# Allegro board MK60_PACK_V10A.brd (continued)
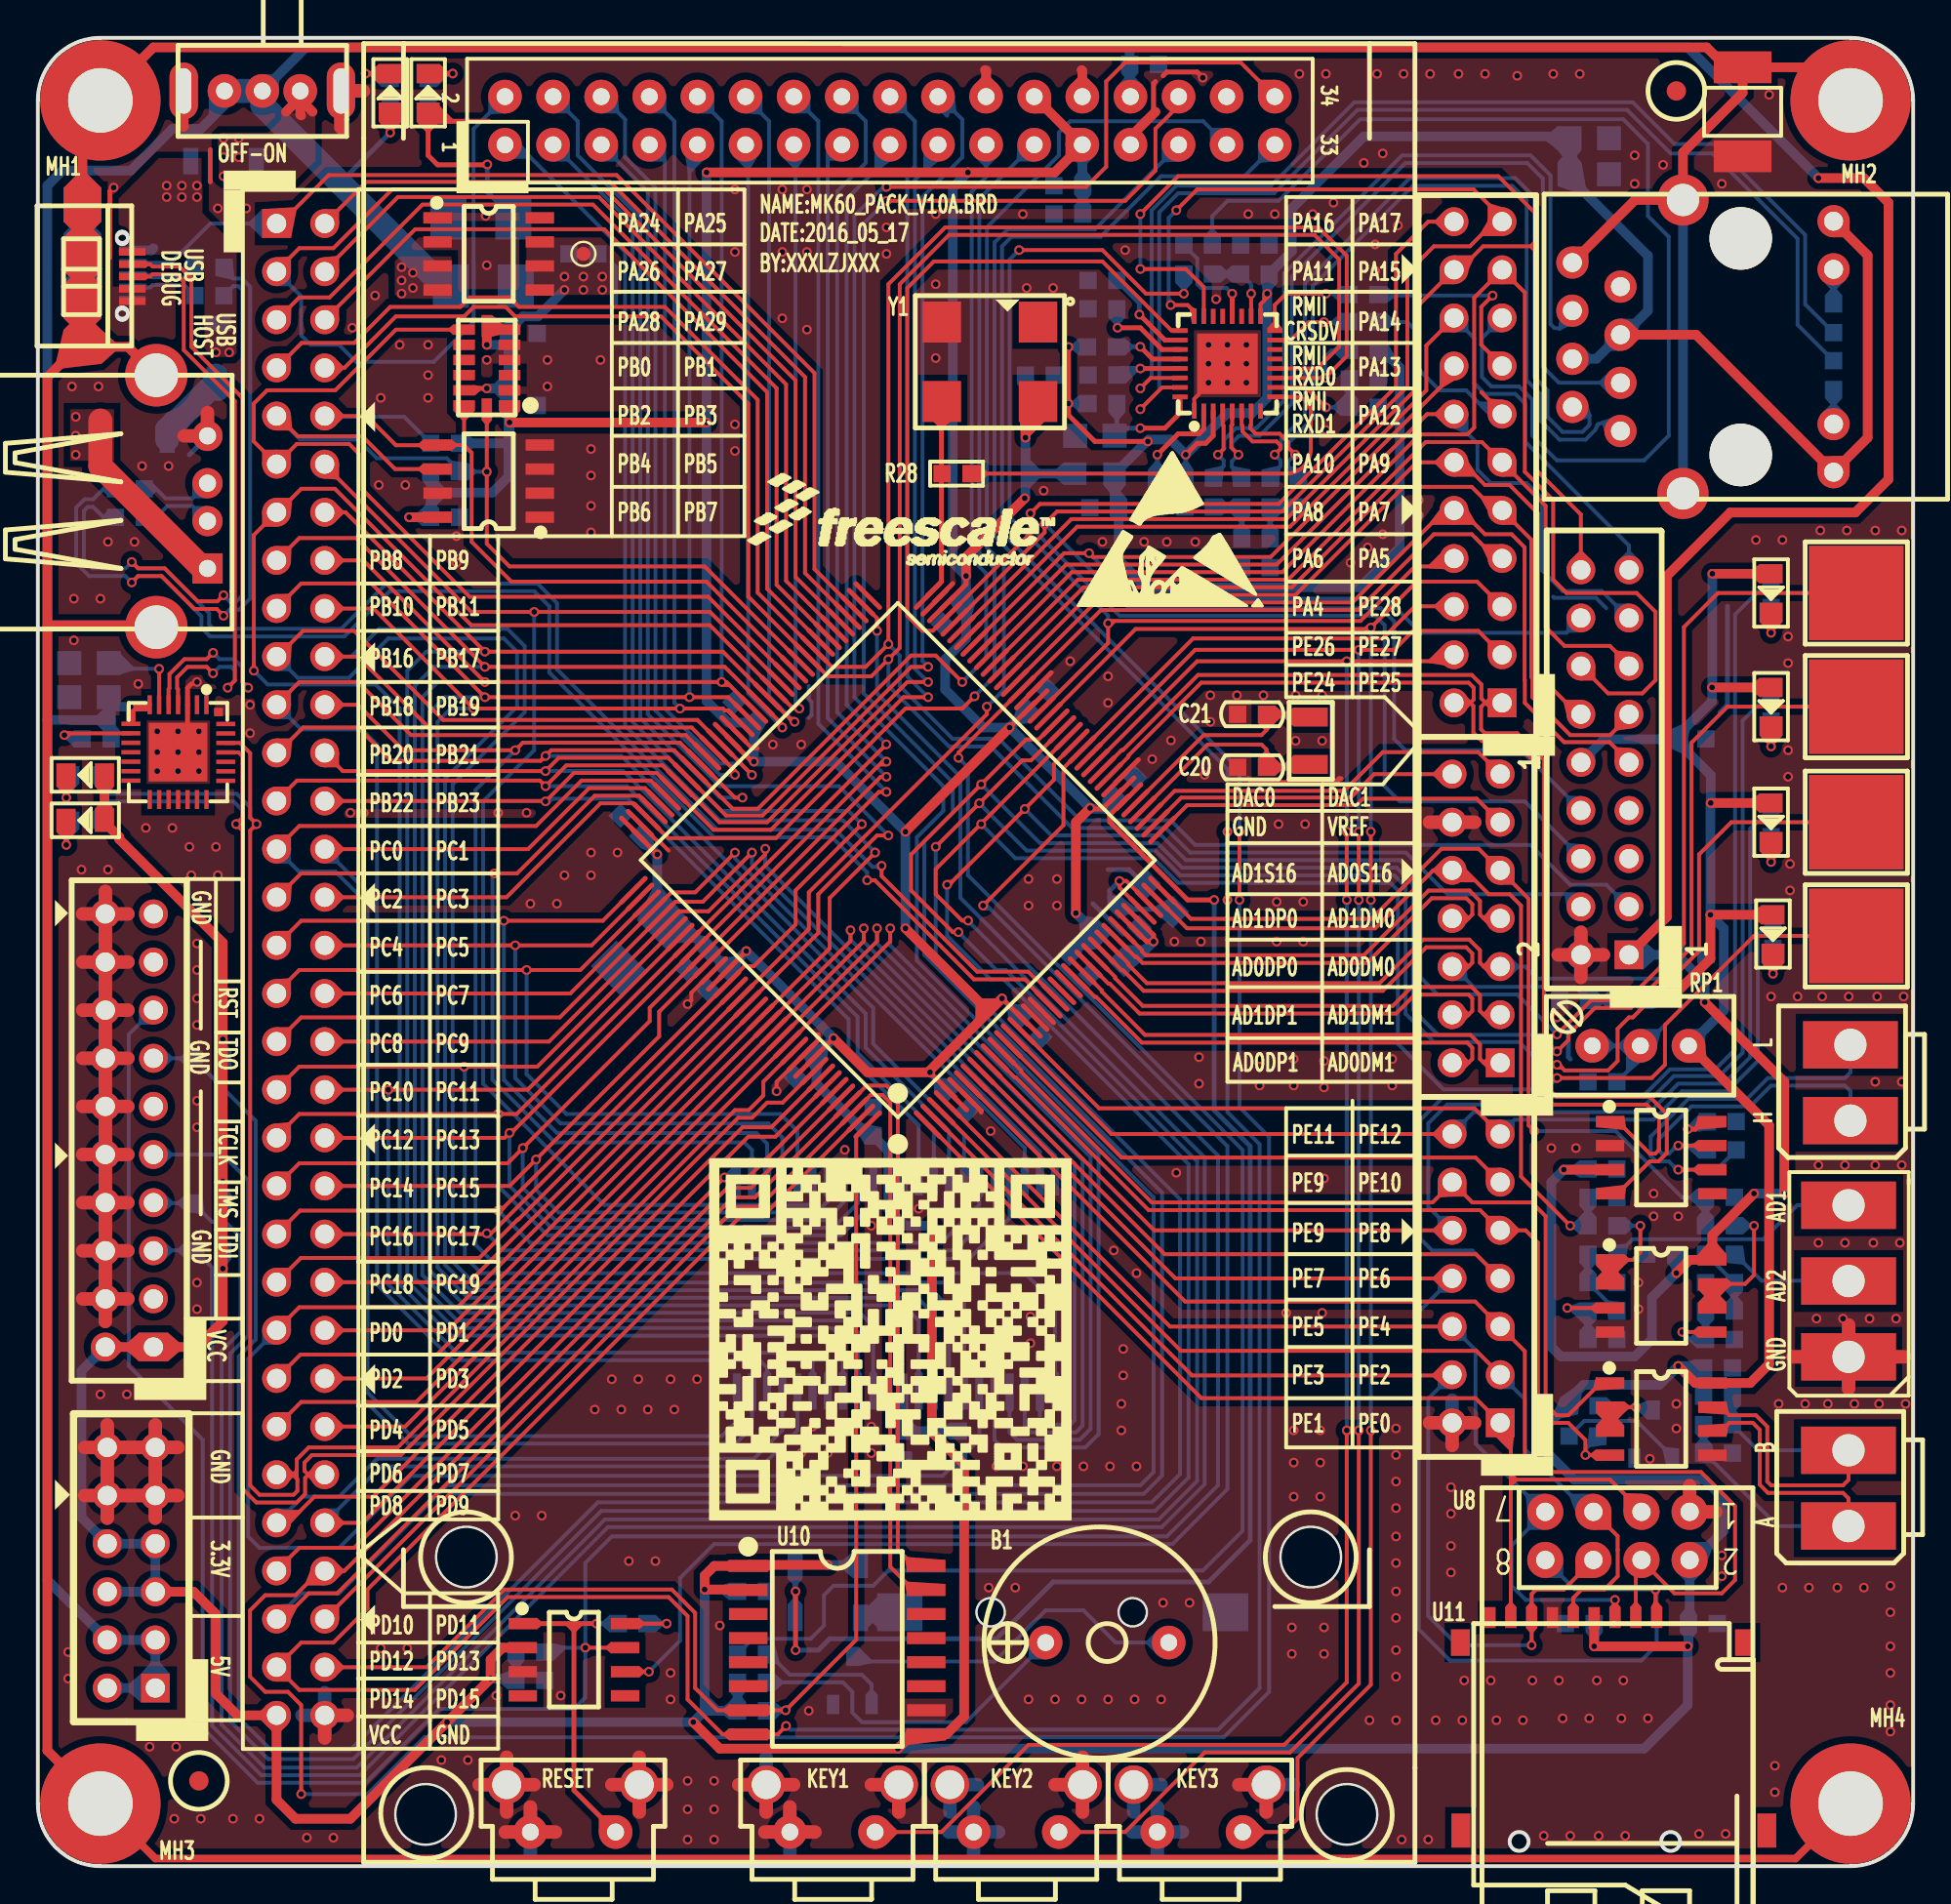
[diagram p0: board, top side]
## Placement (name value [footprint] x y rotation side) (continued)
U13  MAX3485ESA  [SOIC8]  85.7 23.6 270 top
U14  CP2102  [QFN-28]  8.9 61.3 270 top
U15  TPS76833Q  [SOIC8]  23.8 85.1 270 top
USB1  -  [USB-MICRO]  5.05 83.89 270 top
USB2  -  [USB-MICRO]  5.05 83.99 90 bottom
USB3  -  [USB-A]  8.95 68.49 180 top
X1  XTAL_32768Hz_3215  [X-2P-3R2X1R5-SMD]  67.2 59.4 270 top
Y1  SG7050CAN-50M-TJGA  [OSC7X5]  52.8 81.5 180 top

## Library data of the parts
B1 = BEEP_HC12085P
BEAD1 = FB
C1-C18 C20-C44 C49-C52 = CAP NP
C19 C47 C48 = CAPT_100UF_3528_6r3V_10%_LXXXX
C45 C46 = CAPACITOR NON-POL
D1-D4 D7 D8 D11 D12 = LED_4
D5 D6 = DIODE13_0
D9 D10 D13 = D SCHOTTKY
J1 = CONN RCPT 32x2
J2 = CONN RCPT 17x2_1
J3 = CON20_3
J4 = CONN RCPT 11x2
J5 = CONN RCPT 9x2
J6 J7 = CONN RCPT 7x2
J8 = CONN RCPT 6X2
J9 = HR911105A
J10 = CONN RCPT 3
J11 J12 = CONN PLUG 2_0
L1-L3 = IND_BEAD_0805_600OHM_200MA
MH1-MH4 = Hold_1
MP1 MP2 = MarkPoint
Q1 Q2 = L14G1/TO_1
R1-R7 R11 R14-R34 R37-R40 R42-R45 R53-R61 = R_10k_0603
R8-R10 R12 R13 R35 R36 R41 = R_10k_1
R46-R52 = R
RP1 = RESISTOR VAR_0
SW1-SW4 = SWITCH-SPST-4P
SW5 = SWITCH_3P
T1-T4 = TouchPad
TP1 = TestPoint_0
U1 = IS61LV25626_0
U2 = K60
U3 = SP706T_0
U4 = BATTERY
U5 = KSZ8041NL
U6 = ADXL345_1
U7 = AT24C512_0
U8 = NRF24L01PACK
U9 = LM2904QDR
U10 = W25Q64_0
U11 = TFCARD_1
U12 = TJA1050
U13 = MAX3485ESA_0
U14 = CP2102
U15 = TPS7133_0
USB1 USB2 = USB-MICRO
USB3 = USB-A_0
X1 = XTAL_5032_0
Y1 = SMD_OSC_3

## Footprints (pads in the part's own frame, mm; a bottom-side part is the same pattern mirrored in y, then rotated)
CC0603
  rect 0.914x0.914 smd: 1(-0.762,0) 2(0.762,0)
CC0805
  rect 1.27x1.27 smd: 1(-1.041,0) 2(1.041,0)
CC3528_12
  rect 1.905x2.286 smd: 1(0,0) 2(3.429,0)
CR1220
  rect 2.4x2 smd: 1(16,0) 2(-1.2,0)
HC12085P
  round 1.778 hole 0.889: 1(0,0) 2(6.5,0)
HEADER6X2
  rect 1.524x1.524 hole 1.016: 1(0,0)
  round 1.524 hole 1.016: 2(0,2.54) 3(2.54,0) 4(2.54,2.54) 5(5.08,0) 6(5.08,2.54) 7(7.62,0) 8(7.62,2.54) 9(10.16,0) 10(10.16,2.54) 11(12.7,0) 12(12.7,2.54)
HEADER7X2
  rect 1.524x1.524 hole 1.016: 1(0,0)
  round 1.524 hole 1.016: 2(0,2.54) 3(2.54,0) 4(2.54,2.54) 5(5.08,0) 6(5.08,2.54) 7(7.62,0) 8(7.62,2.54) 9(10.16,0) 10(10.16,2.54) 11(12.7,0) 12(12.7,2.54) 13(15.24,0) 14(15.24,2.54)
HEADER10X2
  rect 1.524x1.524 hole 1.016: 1(0,0)
  round 1.524 hole 1.016: 2(0,2.54) 3(2.54,0) 4(2.54,2.54) 5(5.08,0) 6(5.08,2.54) 7(7.62,0) 8(7.62,2.54) 9(10.16,0) 10(10.16,2.54) 11(12.7,0) 12(12.7,2.54) 13(15.24,0) 14(15.24,2.54) 15(17.78,0) 16(17.78,2.54) 17(20.32,0) 18(20.32,2.54) 19(22.86,0) 20(22.86,2.54)
HEADER11X2
  rect 1.524x1.524 hole 1.016: 1(0,0)
  round 1.524 hole 1.016: 2(0,2.54) 3(2.54,0) 4(2.54,2.54) 5(5.08,0) 6(5.08,2.54) 7(7.62,0) 8(7.62,2.54) 9(10.16,0) 10(10.16,2.54) 11(12.7,0) 12(12.7,2.54) 13(15.24,0) 14(15.24,2.54) 15(17.78,0) 16(17.78,2.54) 17(20.32,0) 18(20.32,2.54) 19(22.86,0) 20(22.86,2.54) 21(25.4,0) 22(25.4,2.54)
HEADER32X2
  rect 1.524x1.524 hole 1.016: 1(0,0)
  round 1.524 hole 1.016: 2(0,2.54) 3(2.54,0) 4(2.54,2.54) 5(5.08,0) 6(5.08,2.54) 7(7.62,0) 8(7.62,2.54) 9(10.16,0) 10(10.16,2.54) 11(12.7,0) 12(12.7,2.54) 13(15.24,0) 14(15.24,2.54) 15(17.78,0) 16(17.78,2.54) 17(20.32,0) 18(20.32,2.54) 19(22.86,0) 20(22.86,2.54) 21(25.4,0) 22(25.4,2.54) 23(27.94,0) 24(27.94,2.54) 25(30.48,0) 26(30.48,2.54) 27(33.02,0) 28(33.02,2.54) 29(35.56,0) 30(35.56,2.54) 31(38.1,0) 32(38.1,2.54) 33(40.64,0) 34(40.64,2.54) 35(43.18,0) 36(43.18,2.54) 37(45.72,0) 38(45.72,2.54) 39(48.26,0) 40(48.26,2.54) 41(50.8,0) 42(50.8,2.54) 43(53.34,0) 44(53.34,2.54) 45(55.88,0) 46(55.88,2.54) 47(58.42,0) 48(58.42,2.54) 49(60.96,0) 50(60.96,2.54) 51(63.5,0) 52(63.5,2.54) 53(66.04,0) 54(66.04,2.54) 55(68.58,0) 56(68.58,2.54) 57(71.12,0) 58(71.12,2.54) 59(73.66,0) 60(73.66,2.54) 61(76.2,0) 62(76.2,2.54) 63(78.74,0) 64(78.74,2.54)
HOLD250D134
  round 6.35 hole 3.404: 1(0,0)
HR911105A
  round 3.3 hole 3.3 unplated: (-5.715,0) (5.715,0)
  round 1.699 hole 1.001: 1(4.45,-6.35) 2(3.18,-8.89) 3(1.91,-6.35) 4(0.64,-8.89) 5(-0.63,-6.35) 6(-1.9,-8.89) 7(-3.17,-6.35) 8(-4.44,-8.89) 9(6.625,4.9) 10(4.085,4.9) 11(-4.085,4.9) 12(-6.625,4.9)
  round 2.7 hole 1.7: 13(7.745,-3.05) 14(-7.745,-3.05)
L1812
  rect 1.676x3.048 smd: 1(-2.349,0) 2(2.349,0)
LC0805
  rect 1.194x1.194 smd: 1(-1.041,0) 2(1.041,0)
LED0805
  rect 1.016x1.219 smd: 1(-1.016,0) 2(1.016,0)
LGA-14
  rect 1.145x0.55 smd: 1(0,0) 2(0,-0.8) 3(0,-1.6) 4(0,-2.4) 5(0,-3.2) 6(0,-4) 8(2.4,-4) 9(2.4,-3.2) 10(2.4,-2.4) 11(2.4,-1.6) 12(2.4,-0.8) 13(2.4,0)
  rect 0.55x1.145 smd: 7(1.2,-4.2) 14(1.2,0.2)
LQFP144
  oval 2.032x0.254 smd: 1(-11,8.75) 2(-11,8.25) 3(-11,7.75) 4(-11,7.25) 5(-11,6.75) 6(-11,6.25) 7(-11,5.75) 8(-11,5.25) 9(-11,4.75) 10(-11,4.25) 11(-11,3.75) 12(-11,3.25) 13(-11,2.75) 14(-11,2.25) 15(-11,1.75) 16(-11,1.25) 17(-11,0.75) 18(-11,0.25) 19(-11,-0.25) 20(-11,-0.75) 21(-11,-1.25) 22(-11,-1.75) 23(-11,-2.25) 24(-11,-2.75) 25(-11,-3.25) 26(-11,-3.75) 27(-11,-4.25) 28(-11,-4.75) 29(-11,-5.25) 30(-11,-5.75) 31(-11,-6.25) 32(-11,-6.75) 33(-11,-7.25) 34(-11,-7.75) 35(-11,-8.25) 36(-11,-8.75) 73(11,-8.75) 74(11,-8.25) 75(11,-7.75) 76(11,-7.25) 77(11,-6.75) 78(11,-6.25) 79(11,-5.75) 80(11,-5.25) 81(11,-4.75) 82(11,-4.25) 83(11,-3.75) 84(11,-3.25) 85(11,-2.75) 86(11,-2.25) 87(11,-1.75) 88(11,-1.25) 89(11,-0.75) 90(11,-0.25) 91(11,0.25) 92(11,0.75) 93(11,1.25) 94(11,1.75) 95(11,2.25) 96(11,2.75) 97(11,3.25) 98(11,3.75) 99(11,4.25) 100(11,4.75) 101(11,5.25) 102(11,5.75) 103(11,6.25) 104(11,6.75) 105(11,7.25) 106(11,7.75) 107(11,8.25) 108(11,8.75)
  oval 0.254x2.032 smd: 37(-8.75,-11) 38(-8.25,-11) 39(-7.75,-11) 40(-7.25,-11) 41(-6.75,-11) 42(-6.25,-11) 43(-5.75,-11) 44(-5.25,-11) 45(-4.75,-11) 46(-4.25,-11) 47(-3.75,-11) 48(-3.25,-11) 49(-2.75,-11) 50(-2.25,-11) 51(-1.75,-11) 52(-1.25,-11) 53(-0.75,-11) 54(-0.25,-11) 55(0.25,-11) 56(0.75,-11) 57(1.25,-11) 58(1.75,-11) 59(2.25,-11) 60(2.75,-11) 61(3.25,-11) 62(3.75,-11) 63(4.25,-11) 64(4.75,-11) 65(5.25,-11) 66(5.75,-11) 67(6.25,-11) 68(6.75,-11) 69(7.25,-11) 70(7.75,-11) 71(8.25,-11) 72(8.75,-11) 109(8.75,11) 110(8.25,11) 111(7.75,11) 112(7.25,11) 113(6.75,11) 114(6.25,11) 115(5.75,11) 116(5.25,11) 117(4.75,11) 118(4.25,11) 119(3.75,11) 120(3.25,11) 121(2.75,11) 122(2.25,11) 123(1.75,11) 124(1.25,11) 125(0.75,11) 126(0.25,11) 127(-0.25,11) 128(-0.75,11) 129(-1.25,11) 130(-1.75,11) 131(-2.25,11) 132(-2.75,11) 133(-3.25,11) 134(-3.75,11) 135(-4.25,11) 136(-4.75,11) 137(-5.25,11) 138(-5.75,11) 139(-6.25,11) 140(-6.75,11) 141(-7.25,11) 142(-7.75,11) 143(-8.25,11) 144(-8.75,11)
MARKPOINT_R3
  round 1.016 smd: 1(0,0)
MLF-32
  rect 0.8x0.25 smd: 1(-2.5,1.75) 2(-2.5,1.25) 3(-2.5,0.75) 4(-2.5,0.25) 5(-2.5,-0.25) 6(-2.5,-0.75) 7(-2.5,-1.25) 8(-2.5,-1.75) 17(2.5,-1.75) 18(2.5,-1.25) 19(2.5,-0.75) 20(2.5,-0.25) 21(2.5,0.25) 22(2.5,0.75) 23(2.5,1.25) 24(2.5,1.75)
  rect 0.25x0.8 smd: 9(-1.75,-2.5) 10(-1.25,-2.5) 11(-0.75,-2.5) 12(-0.25,-2.5) 13(0.25,-2.5) 14(0.75,-2.5) 15(1.25,-2.5) 16(1.75,-2.5) 25(1.75,2.5) 26(1.25,2.5) 27(0.75,2.5) 28(0.25,2.5) 29(-0.25,2.5) 30(-0.75,2.5) 31(-1.25,2.5) 32(-1.75,2.5)
  rect 3.2x3.2 smd: 33(0,0)
NRF24L01PACK
  round 1.905 hole 0.965: 1(0,0) 2(0,2.54) 3(2.54,0) 4(2.54,2.54) 5(5.08,0) 6(5.08,2.54) 7(7.62,0) 8(7.62,2.54)
OSC7X5
  rect 2.032x2.159 smd: 1(0,0) 2(5.08,0) 3(5.08,4.191) 4(0,4.191)
OV2640
  rect 1.524x1.524 hole 1.016: 1(0,0)
  round 1.524 hole 1.016: 2(0,2.54) 3(2.54,0) 4(2.54,2.54) 5(5.08,0) 6(5.08,2.54) 7(7.62,0) 8(7.62,2.54) 9(10.16,0) 10(10.16,2.54) 11(12.7,0) 12(12.7,2.54) 13(15.24,0) 14(15.24,2.54) 15(17.78,0) 16(17.78,2.54) 17(20.32,0) 18(20.32,2.54)
POWER2A
  rect 5x2.5 hole 1.7: 1(2.912,6.05) 2(2.912,2.05)
POWER3A
  rect 5x2.5 hole 1.7: 1(1.007,4.018) 2(1.007,0.018) 3(1.007,-3.982)
QFN-28
  rect 1x0.23 smd: 1(0,0) 2(0,-0.5) 3(0,-1) 4(0,-1.5) 5(0,-2) 6(0,-2.5) 7(0,-3) 15(5.003,-2.998) 16(5.003,-2.498) 17(5.003,-1.998) 18(5.003,-1.498) 19(5.003,-0.998) 20(5.003,-0.498) 21(5.003,0.002)
  rect 0.23x1 smd: 8(1.006,-3.987) 9(1.506,-3.987) 10(2.006,-3.987) 11(2.506,-3.987) 12(3.006,-3.987) 13(3.506,-3.987) 14(4.006,-3.987) 22(4.014,1.016) 23(3.514,1.016) 24(3.014,1.016) 25(2.514,1.016) 26(2.014,1.016) 27(1.514,1.016) 28(1.014,1.016)
  rect 0.45x0.47 smd: 29(0.381,0.635)
  rect 3.1x3.1 smd: 30(2.5,-1.5)
RC0603
  rect 0.914x0.914 smd: 1(-0.762,0) 2(0.762,0)
SOD123
  rect 0.8x1.4 smd: 1(-0.127,0) 2(3.327,0)
SOIC8
  rect 0.6x1.5 smd: 1(-1.9,-2.7) 2(-0.63,-2.7) 3(0.64,-2.7) 4(1.91,-2.7) 5(1.91,2.7) 6(0.64,2.7) 7(-0.63,2.7) 8(-1.9,2.7)
SOIC16W
  rect 2.032x0.635 smd: 1(-4.699,4.445) 2(-4.699,3.175) 3(-4.699,1.905) 4(-4.699,0.635) 5(-4.699,-0.635) 6(-4.699,-1.905) 7(-4.699,-3.175) 8(-4.699,-4.445) 9(4.699,-4.445) 10(4.699,-3.175) 11(4.699,-1.905) 12(4.699,-0.635) 13(4.699,0.635) 14(4.699,1.905) 15(4.699,3.175) 16(4.699,4.445)
SOT23_123
  rect 0.66x1.016 smd: 1(-1.016,-1.27) 2(1.016,-1.27) 3(0,1.27)
SW-6X6X6-L
  round 2.032 hole 1.524: 1(-1.25,2.5) 4(5.75,2.5)
  round 1.778 hole 0.889: 2(0,0) 3(4.5,0)
SWITCH_3P
  oval 1.5x3 hole 0.8x2.4: 1(0,0) 5(8.3,0)
  round 1.778 hole 0.889: 2(2.15,0) 3(4.15,0) 4(6.15,0)
TFCARD
  rect 0.6x1.1 smd: 1(2.26,0.32) 2(1.16,0.32) 3(0.06,0.32) 4(-1.04,0.32) 5(-2.14,0.32) 6(-3.24,0.32) 7(-4.34,0.32) 8(-5.44,0.32) 9(-6.54,0.32)
  rect 1x1.4 smd: 10(-8.1,-1) 13(6.9,-1)
  rect 1x1.8 smd: 11(-8.074,-10.922) 12(8.074,-10.922)
TFTLCD_3R5
  round 1.778 hole 0.889: 1(2.54,-40.64) 2(0,-40.64) 3(2.54,-38.1) 4(0,-38.1) 5(2.54,-35.56) 6(0,-35.56) 7(2.54,-33.02) 8(0,-33.02) 9(2.54,-30.48) 10(0,-30.48) 11(2.54,-27.94) 12(0,-27.94) 13(2.54,-25.4) 14(0,-25.4) 15(2.54,-22.86) 16(0,-22.86) 17(2.54,-20.32) 18(0,-20.32) 19(2.54,-17.78) 20(0,-17.78) 21(2.54,-15.24) 22(0,-15.24) 23(2.54,-12.7) 24(0,-12.7) 25(2.54,-10.16) 26(0,-10.16) 27(2.54,-7.62) 28(0,-7.62) 29(2.54,-5.08) 30(0,-5.08) 31(2.54,-2.54) 32(0,-2.54) 33(2.54,0) 34(0,0)
TOUCHPAD
  rect 5x5 smd: 1(0,0)
TP-0R75
  round 0.75 smd: 1(0,0)
TSOP-44
  rect 1.905x0.432 smd: 1(-5.65,8.4) 2(-5.65,7.6) 3(-5.65,6.8) 4(-5.65,6) 5(-5.65,5.2) 6(-5.65,4.4) 7(-5.65,3.6) 8(-5.65,2.8) 9(-5.65,2) 10(-5.65,1.2) 11(-5.65,0.4) 12(-5.65,-0.4) 13(-5.65,-1.2) 14(-5.65,-2) 15(-5.65,-2.8) 16(-5.65,-3.6) 17(-5.65,-4.4) 18(-5.65,-5.2) 19(-5.65,-6) 20(-5.65,-6.8) 21(-5.65,-7.6) 22(-5.65,-8.4) 23(5.65,-8.4) 24(5.65,-7.6) 25(5.65,-6.8) 26(5.65,-6) 27(5.65,-5.2) 28(5.65,-4.4) 29(5.65,-3.6) 30(5.65,-2.8) 31(5.65,-2) 32(5.65,-1.2) 33(5.65,-0.4) 34(5.65,0.4) 35(5.65,1.2) 36(5.65,2) 37(5.65,2.8) 38(5.65,3.6) 39(5.65,4.4) 40(5.65,5.2) 41(5.65,6) 42(5.65,6.8) 43(5.65,7.6) 44(5.65,8.4)
USB-A
  rect 1.6x1.6 hole 0.9: 1(0,0)
  round 1.6 hole 0.9: 2(0,-2.5) 3(0,-4.5) 4(0,-7)
  round 3.3 hole 2.3: 5(2.7,3.1) 6(2.7,-10.2)
USB-MICRO
  rect 0.4x1.4 smd: 1(-1.31,-0.07) 2(-0.66,-0.07) 3(-0.01,-0.07) 4(0.64,-0.07) 5(1.29,-0.07)
  rect 1.8x2 smd: 6(-3.8,-2.7) 7(-1.2,-2.7) 8(1.3,-2.7) 9(3.7,-2.7)
VISHAY_RES_VAR_64W
  round 1.778 hole 0.889: 1(-2.54,0) 2(0,0) 3(2.54,0)
X-2P-3R2X1R5-SMD
  rect 1x1.8 smd: 1(-1.25,0) 2(1.25,0)

## Nets
GND: BEAD1.2 C1.1 C2.2 C3.2 C4.2 C5.1 C6.1 C7.1 C8.1 C9.1 C10.1 C11.1 C12.1 C13.1 C14.1 C15.1 C16.1 C17.1 C19.2 C20.1 C21.1 C22.2 C23.1 C24.2 C25.1 C26.1 C27.1 C28.2 C29.2 C30.2 C31.2 C32.2 C33.2 C34.2 C35.1 C36.2 C37.1 C38.1 C39.2 C40.1 C41.1 C42.2 C43.2 C44.2 C45.2 C46.2 C47.2 C48.2 C49.1 C50.1 C51.1 C52.1 J1.64 J2.22(GND_3) J2.26(GND_2) J2.27(GND_1) J3.4 J3.6 J3.8 J3.10 J3.12 J3.14 J3.16 J3.18 J3.20 J5.2(10) J6.12(13) J7.2(8) J8.9(5) J8.10(11) J8.11(6) J8.12 J10.1 L2.1(A) Q1.2(E) Q2.2(E) R14.1 R15.1 R17.2 R18.2 R29.2 R30.2 R31.1 R40.1 R45.1 R46.2 R51.2 R60.1 R61.1 SW1.1 SW1.2 SW1.4 SW2.1 SW2.2 SW2.4 SW3.1 SW3.2 SW3.4 SW4.1 SW4.2 SW4.4 SW5.1 SW5.5 U1.12(GND_1) U1.34(GND_2) U2.6(VSS_1) U2.17(VSS_2) U2.18(VSS_3) U2.44(VSS_4) U2.57(VSS_5) U2.71(VSS_6) U2.93(VSS_7) U2.107(VSS_8) U2.121(VSS_9) U2.134(VSS_10) U3.3(GND) U4.2 U5.1(GND_1) U5.33(GND_2) U6.2(GND_1) U6.4(GND_2) U6.5(GND_3) U7.1(A0) U7.2(A1) U7.3(A2) U7.4(GND) U7.7(WP) U8.1(GND) U9.4(GND) U10.10(GND) U11.6(GND) U12.2(GND) U13.5(GND) U14.3(GND_1) U14.29(GND_2) U14.30(GND_3) U15.1(GND) U15.2(E\N\) USB1.4(ID) USB1.5(GND) USB2.5(GND) USB3.4(GND) Y1.2(GND)
GND_EARTH: BEAD1.1 J9.8(CHS_GND) J9.13(SHILED_1) J9.14(SHILED_2) MH1.1 MH2.1 MH3.1 MH4.1 USB1.6(P_2) USB1.7(P_1) USB1.8(P_3) USB1.9(P_4) USB2.6(P_2) USB2.7(P_1) USB2.8(P_3) USB2.9(P_4) USB3.5(P_2) USB3.6(P_1)
VBAT: D5.2 D6.2 U2.42(VBAT)
VCC_3V3: C1.2 C2.1 C4.1 C5.2 C6.2 C7.2 C8.2 C9.2 C10.2 C11.2 C12.2 C13.2 C14.2 C15.2 C16.2 C17.2 C19.1 C32.1 C33.1 C34.1 C36.1 C39.1 C42.1 C44.1 C48.1 C49.2 C50.2 C51.2 D1.1(ANODE) D2.1(ANODE) D3.1(ANODE) D4.1(ANODE) D5.1 D7.1(ANODE) D8.1(ANODE) D11.1(ANODE) J1.63 J2.24(VDD_2) J2.25(VDD_1) J3.1 J3.2 J5.10(14) J8.5(3) J8.6(9) J8.7(4) J8.8(10) L1.1(A) L3.1(A) R1.1 R4.1 R8.2 R9.2 R10.2 R11.2 R12.2 R35.1 R36.1 R41.2 R48.2 R49.1 RP1.1(A) TP1.1 U1.11(VDD_1) U1.33(VDD_2) U2.5(VDD_1) U2.16(VDD_2) U2.43(VDD_3) U2.56(VDD_4) U2.70(VDD_5) U2.94(VDD_6) U2.108(VDD_7) U2.122(VDD_8) U2.135(VDD_9) U3.2(VCC) U6.1(VDDIO) U6.6(VSUP) U6.7(C\S\) U6.12(SDO/ALT) U7.8(VCC) U8.2(VCC) U10.1(H\O\L\D\) U10.2(VCC) U10.9(W\P\) U11.4(VCC) U13.8(VCC) U15.5(OUT_2) U15.6(OUT_1) U15.7(SENSE) Y1.4(VCC)
VCC_5V: C3.1 C35.2 C43.1 C46.1 C47.1 C52.2 D12.1(ANODE) J2.28(BL_VDD) J5.1 J8.1 J8.2(7) J8.3(2) J8.4(8) R55.2 SW5.3 SW5.4 U9.8(VCC) U12.3(VCC) U14.7(REGIN) U14.8(VBUS) U15.3(IN_1) U15.4(IN_2)
VCC_KSZ8041: C23.2 C25.2 C26.2 C27.2 C28.1 J9.4(TCT) J9.5(RCT) J9.9(LED(G)_A) J9.12(LED(Y)_A) L3.2(B) R16.1 R27.2 R32.1 U5.3(VDDA_3.3) U5.17(VDDIO_3.3)
VCC_VUSB: D9.1 D10.2 D13.1 USB1.1(VBUS)
VDDA3V3: C18.1 L1.2(B) U2.31(VDDA) U2.32(VREFH)
VSSA: C18.2 L2.2(B) U2.33(VREFL) U2.34(VSSA)
485_R: J7.12(13) U2.12(PTE9) U13.1(RO)
485_T: J7.9(5) R52.2 U2.11(PTE8) U13.4(DI)
A4: J4.5 SW4.3 U2.54(PTA4/NMI_B)
A6: J4.7 R6.1 U2.58(PTA6)
A7: J4.10 J5.9(5) U2.59(PTA7)
A8: J4.9 J5.11(6) U2.60(PTA8)
A9: J4.12 J5.12(15) U2.61(PTA9)
A10: J4.11 J5.13(7) U2.62(PTA10)
A11: J4.19 J5.14(16) U2.63(PTA11)
A12: J4.14 J5.15(8) U2.64(PTA12)
A13: J4.16 J5.16(17) U2.65(PTA13)
A14: J4.18 J5.17(9) U2.66(PTA14)
A25: J1.2 U2.76(PTA25)
A26: J1.3 J2.2(RS) U2.77(PTA26)
A27: J1.4 U2.78(PTA27)
A28: J1.5 U2.79(PTA28)
A29: J1.6 U2.80(PTA29)
AD0_DM1: J6.1 U2.24(ADC0_DM1)
AD0_DP1: J6.2(8) U2.23(ADC0_DP1)
AD1: C38.2 J6.10(12) R37.2 U2.35(ADC1_SE16)
AD1_DM1: J6.3(2) U2.26(ADC1_DM1)
AD1_DP1: J6.4(9) U2.25(ADC1_DP1)
AD2: C41.2 J6.9(5) R42.2 U2.36(ADC0_SE16)
ADC0_DM0: J6.5(3) R14.2 RP1.2(WIPER) RP1.3(B) U2.28(ADC1_DM3)
ADC0_DP0: J6.6(10) R11.1 R15.2 U2.27(ADC1_DP3)
ADC1_DM0: J6.7(4) U2.30(ADC0_DM3)
ADC1_DP0: J6.8(11) U2.29(ADC0_DP3)
ADIN1: J10.3 R38.1
ADIN2: J10.2 R43.1
ADXL_INT: J1.11 U2.85(PTB4) U6.8(INT1)
B5: J1.12 U1.28(A18) U2.86(PTB5)
B6: J1.13 J2.13(D7) U1.16(I/O7) U2.87(PTB6)
B7: J1.14 J2.12(D6) U1.15(I/O6) U2.88(PTB7)
B8: J1.15 J2.11(D5) U1.14(I/O5) U2.89(PTB8)
B9: J1.16 J2.10(D4) U1.13(I/O4) U2.90(PTB9)
B10: J1.17 J2.9(D3) U1.10(I/O3) U2.91(PTB10)
B11: J1.18 J2.8(D2) U1.9(I/O2) U2.92(PTB11)
B16: J1.19 J2.7(D1) U1.8(I/O1) U2.95(PTB16)
B17: J1.20 J2.6(D0) U1.7(I/O0) U2.96(PTB17)
B18: J1.21 U1.20(A14) U2.97(PTB18)
B19: J1.22 J2.4(RD) U1.41(O\E\) U2.98(PTB19)
B20: J1.23 J2.21(D15) U1.38(I/O15) U2.99(PTB20)
B21: J1.24 J2.20(D14) U1.37(I/O14) U2.100(PTB21)
B22: J1.25 J2.19(D13) U1.36(I/O13) U2.101(PTB22)
B23: J1.26 J2.18(D12) U1.35(I/O12) U2.102(PTB23)
BL: J1.30 J2.23(BL) U2.106(PTC3)
C0: J1.27 U1.21(A13) U2.103(PTC0)
C1: J1.28 U1.22(A12) U2.104(PTC1)
C2: J1.29 U1.24(A11) U2.105(PTC2)
C4: J1.31 U1.25(A10) U2.109(PTC4)
C5: J1.32 U1.26(A9) U2.110(PTC5)
C6: J1.33 U1.27(A8) U2.111(PTC6)
C7: J1.34 U1.42(A7) U2.112(PTC7)
C8: J1.35 U1.43(A6) U2.113(PTC8)
C9: J1.36 U1.44(A5) U2.114(PTC9)
C10: J1.37 U1.1(A4) U2.115(PTC10)
C11: J1.38 U1.17(W\E\) U2.116(PTC11)
C12: J1.39 J2.17(D11) U1.32(I/O11) U2.117(PTC12)
C13: J1.40 J2.16(D10) U1.31(I/O10) U2.118(PTC13)
C14: J1.41 J2.15(D9) U1.30(I/O9) U2.119(PTC14)
C15: J1.42 J2.14(D8) U1.29(I/O8) U2.120(PTC15)
C16: J1.43 J2.3(WR/CLK) U1.39(L\B\) U2.123(PTC16)
C17: J1.44 U1.40(U\B\) U2.124(PTC17)
C18: J1.45 J2.31(T_PEN) U2.125(PTC18)
C19: J1.46 J2.5(RST) U2.126(PTC19)
CAN_RX: J4.1 U2.46(PTE25) U12.4(R)
CAN_TX: J4.2 U2.45(PTE24) U12.1(D)
CE: J7.1 U2.1(PTE0) U8.3(CE) U11.8(DAT1)
CLK_50M: R28.1 U2.72(PTA18/EXTAL) Y1.3(OUT)
CONFIG0: R27.1 U5.28(COL/CONFIG0)
CONFIG1: R29.1 U5.29(CRS/CONFIG1)
CONFIG2: R22.1 R30.1 U5.18(RXDV/CRSDV/CONFIG2)
D0: J1.47 R1.2 U1.6(C\S\1\) U2.127(PTD0)
D1: J1.48 J2.1(LCD_CS) U2.128(PTD1)
D2: J1.49 U1.2(A3) U2.129(PTD2)
D3: J1.50 U1.3(A2) U2.130(PTD3)
D4: J1.51 U1.4(A1) U2.131(PTD4)
D5: J1.52 U1.5(A0) U2.132(PTD5)
D8: J1.55 U1.19(A15) U2.137(PTD8)
D9: J1.56 U1.18(A16) U2.138(PTD9)
D10: J1.57 U1.23(A17) U2.139(PTD10)
D11: J1.58 J2.33(T_CS) U2.140(PTD11)
DAC0_OUT: J6.14 U2.38(ADC0_SE23)
DAC1_OUT: J6.13(7) U2.39(ADC1_SE23)
E6: J7.7(4) R2.2 U2.9(PTE6)
E7: J7.10(12) R3.2 U2.10(PTE7)
E10: J7.11(6) U2.13(PTE10)
E11: J7.14 R5.2 U2.14(PTE11)
E12: J7.13(7) R7.2 U2.15(PTE12)
E26: J4.4 SW1.3 U2.47(PTE26)
E27: J4.3 SW3.3 U2.48(PTE27)
E28: J4.6 U2.49(PTE28) U3.6(WDI)
EXTAL32: C21.2 U2.41(EXTAL32) X1.1
I2C_SCL: J1.9 R36.2 U2.83(PTB2) U6.14(SCL/SCLK) U7.6(SCL)
I2C_SDA: J1.10 R35.2 U2.84(PTB3) U6.13(SDA/SDIO) U7.5(SDA)
JTAG_TCLK: J3.9 T1.1 U2.50(PTA0/TCLK)
JTAG_TDI: J3.5 R8.1 T4.1 U2.51(PTA1/TDI)
JTAG_TDO: J3.13 R10.1 T3.1 U2.52(PTA2/TD0)
JTAG_TMS: J3.7 R9.1 T2.1 U2.53(PTA3/TMS)
LED0: R19.2 U5.30(LED0/NWAYEN)
LED1: R20.2 U5.31(LED1/SPEED)
NRF_IRQ: J7.8(11) U2.8(PTE5) U8.8(IRQ) U11.1(DAT2)
RMII0_CRS_DV: J4.17 R22.2
RMII0_MDC: J1.8 J5.4(11) U2.82(PTB1) U5.12(MDC)
RMII0_MDIO: J1.7 J5.3(2) R32.2 U2.81(PTB0) U5.11(MDIO)
RMII0_RXD0: J4.15 R33.2
RMII0_RXD1: J4.13 R34.2
RMII0_RXER: J4.8 R21.2 U2.55(PTA5/TRST)
RMII0_TXD0: J4.21 J5.8(13) U2.68(PTA16) U5.24(TXD0)
RMII0_TXD1: J4.22 J5.6(12) U2.69(PTA17) U5.25(TXD1)
RMII0_TXEN: J4.20 J5.18 U2.67(PTA15) U5.23(TXEN/TX_EN)
RX+: J9.3(RD+) R23.2 U5.5(RX+)
RX-: J9.6(RD-) R24.2 U5.4(RX-)
SDHC0_CMD: J7.6(10) U2.4(PTE3) U8.7(MISO) U11.3(CMD)
SDHC0_D0: J7.4(9) U2.2(PTE1) U8.6(MOSI) U11.7(DAT0)
SDHC0_D3: J7.5(3) U2.7(PTE4) U8.4(CSN) U11.2(DAT3)
SDHC0_DCLK: J7.3(2) U2.3(PTE2) U8.5(SCK) U11.5(CLK)
SPI2_PCS1: J1.62 R41.1 U2.144(PTD15) U10.7(C\S\)
SPI2_SCK: J1.59 J2.34(CLK) U2.141(PTD12) U10.16(CLK)
SPI2_SIN: J1.61 J2.29(MISO) U2.143(PTD14) U10.8(DO)
SPI2_SOUT: J1.60 J2.30(MOSI) U2.142(PTD13) U10.15(DI)
SYS_RESET#: J3.15 R12.1 U2.74(RESET_B) U3.7(R\S\T\)
TX+: J9.1(TD+) R25.2 U5.7(TX+)
TX-: J9.2(TD-) R26.2 U5.6(TX-)
UART_RX: J1.53 R53.1 U2.133(PTD6) U14.26(TXD)
UART_TX: J1.54 R54.1 U2.136(PTD7) U14.25(RXD)
USB_DEBUG_DN: U14.5(D-) USB1.2(D-)
USB_DEBUG_DP: U14.4(D+) USB1.3(D+)
USB_DN: R57.2 R58.2 U2.20(USB0_DM)
USB_DP: R56.2 R59.2 U2.19(USB0_DP)
USB_HOST_DN: R58.1 USB3.2(D-)
USB_HOST_DP: R59.1 USB3.3(D+)
USB_ID: J1.1 U2.75(PTA24) USB2.4(ID)
USB_OTG_DN: R57.1 USB2.2(D-)
USB_OTG_DP: R56.1 USB2.3(D+)
VREF: J6.11(6) U2.37(ADC1_SE18)
XTAL32: C20.2 U2.40(XTAL32) X1.2
N11460273: R13.2 SW2.3 U3.1(M\R\)
N11482293: R13.1 U3.8(W\D\O\)
N11743922: C45.1 U14.6(VDD)
N11743962: R55.1 U14.9(R\S\T\)
N11748824: D13.2 SW5.2
N11749417: D10.1 USB2.1(VBUS)
N11779606: B1.2(G) Q1.3(C)
N11779640: B1.1(P) R4.2
N11801739: D9.2 USB3.1(VBUS)
N11830705: J9.11(LED(Y)_K) R19.1
N11830709: J9.10(LED(G)_K) R20.1
N11831696: R28.2 U5.9(XI/REFCLK)
N11839803: R21.1 U5.20(RXER/RX_ER/ISO)
N11839979: C31.1 R31.2 U5.10(REXT)
N11840035: R34.1 U5.15(RXD1/PHYAD2)
N11840039: R33.1 U5.16(RXD0/DUPLEX)
N11840200: C24.1 U5.2(VDDPLL_1.8)
N11841277: R18.1 U5.26(TXD2)
N11841284: R17.1 U5.27(TXD3)
N11841979: C22.1 R16.2 U5.32(RST#)
N11843085: C29.1 R23.1 R24.1
N11843109: C30.1 R25.1 R26.1
N11846041: Q2.3(C) R49.2 U13.2(R\E\) U13.3(DE)
N11846725: J11.1 R47.1 U12.7(CANH)
N11846749: J11.2 R47.2 U12.6(CANL)
N11846819: R46.1 U12.8(RS)
N11847009: J12.2 R48.1 R50.1 U13.7(B)
N11847033: J12.1 R50.2 R51.1 U13.6(A)
N11849856: Q2.1(B) R52.1
N11851653: R38.2 R39.1 R40.2
N11851673: C37.2 R39.2 U9.3(1IN+)
N11851788: R37.1 U9.1(1OUT) U9.2(1IN-)
N11852378: R43.2 R44.1 R45.2
N11852390: C40.2 R44.2 U9.5(2IN+)
N11852402: R42.1 U9.6(2IN-) U9.7(2OUT)
N117249410: D6.1 U4.1
N117439961: D7.2(CATHODE) R53.2
N117484001: D8.2(CATHODE) R54.2
N117792531: Q1.1(B) R6.2
N118213551: D1.2(CATHODE) R2.1
N118221931: D2.2(CATHODE) R3.1
N118222651: D3.2(CATHODE) R5.1
N118223381: D4.2(CATHODE) R7.1
N124224871: D11.2(CATHODE) R60.2
N124285301: D12.2(CATHODE) R61.2

Pads without a net: J2 32; J3 3 11 17 19; J5 5 7; J9 7; MP1 1; MP2 1; U2 21 22 73; U3 4 5; U5 8 13 14 19 21 22; U6 3 9 10 11; U10 3 4 5 6 11 12 13 14; U11 9 10 11 12 13; U12 5; U14 1 2 10 11 12 13 14 15 16 17 18 19 20 21 22 23 24 27 28; U15 8; Y1 1

## Via types
v1: diameter 0.508, hole 0.305, TOP to BOTTOM, 622 vias
